# Altium PCB spd150.PcbDoc (part 6 of 15)
Units mil, origin at the board's own origin, x right, y up, seen from the top; angles counter-clockwise.
Board outline 8557 x 5807 mil, 10 copper layers (TOP, LYR2-PLN, LYR3-SIG, LYR4-SIG, LYR5-PLN, LYR6-PLN, LYR7-SIG, LYR8-SIG, LYR9-PLN, BOTTOM), stack 84 mil thick; 1065 components, 972 nets, 4226 pads, 2810 vias.
Unrouted connection lines stored in the file: 16.
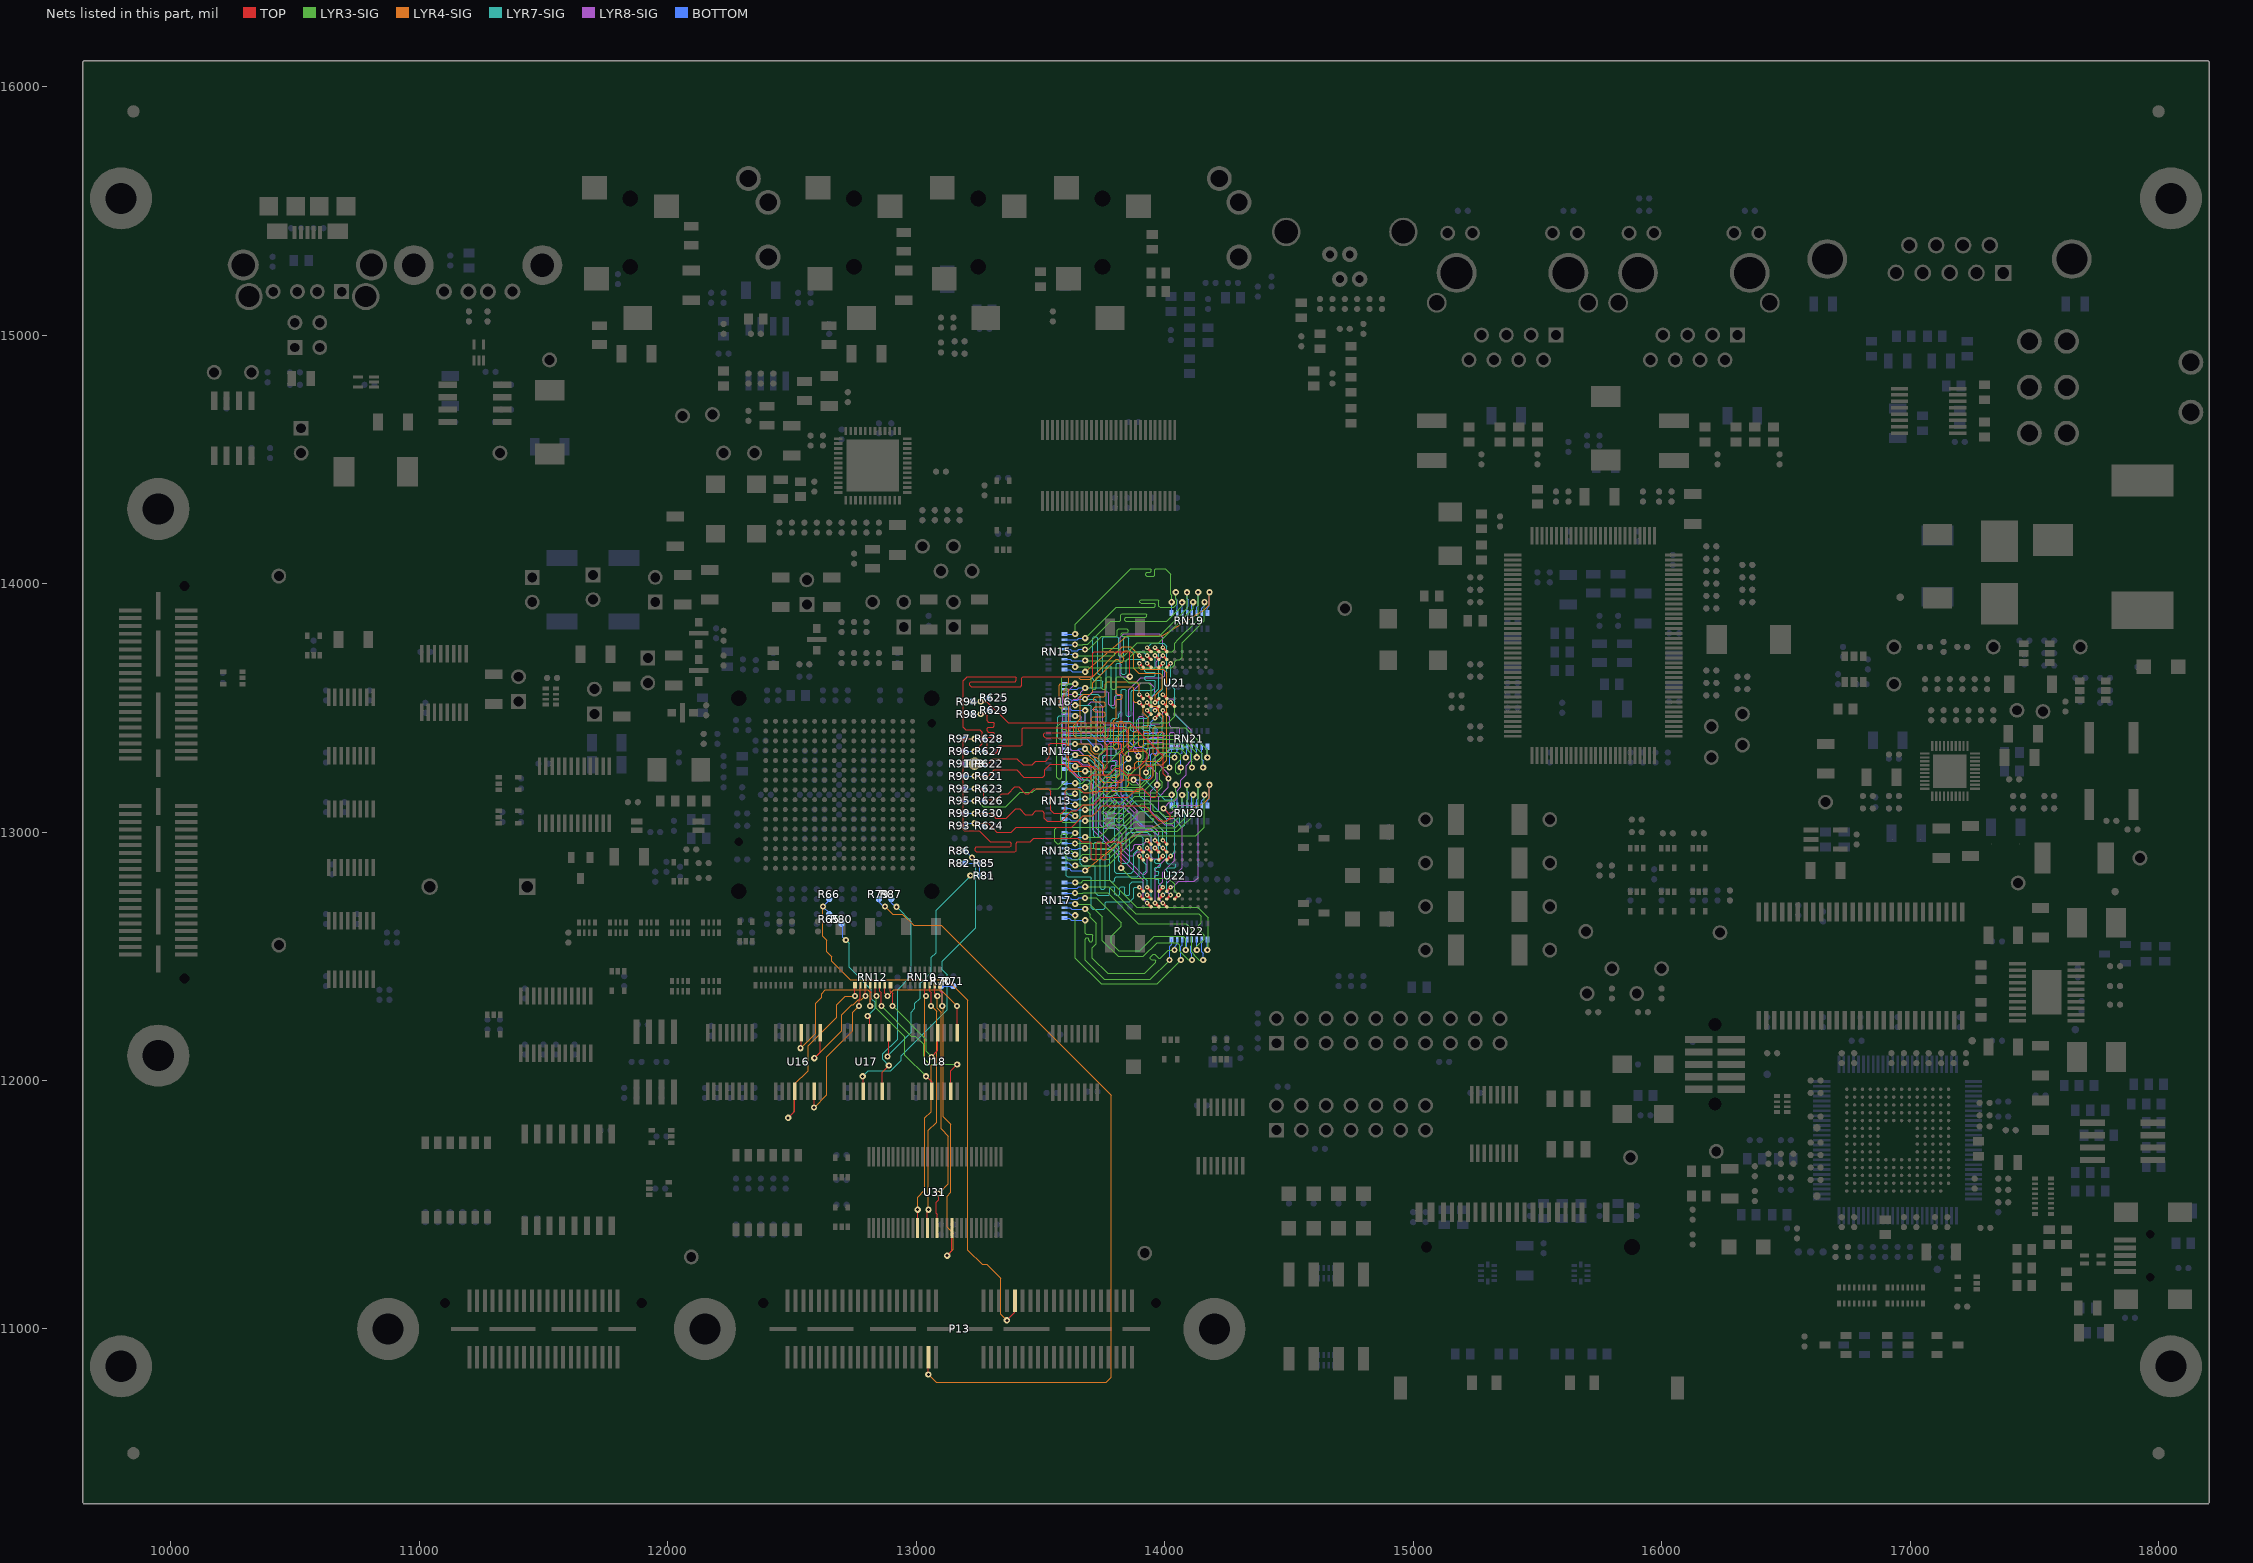
[diagram p14: the nets of this part, all layers, seen from the top]

## Via types
v1: diameter 25, hole 12, TOP to BOTTOM, 2018 vias
v2: diameter 19, hole 8, TOP to BOTTOM, 651 vias
v3: diameter 20, hole 10, TOP to BOTTOM, 120 vias
v4: diameter 22, hole 10, TOP to BOTTOM, 21 vias

## Nets (pads, with @x,y where several pads share a name; then routed paths per layer and width w, separated by ;. In a path a pad name is that pad's centre, name@x,y a point inside that pad or via, vN(x,y) a via of type N, cw(c..) or ccw(c..) an arc to the next point about the centre after c; other vN are vias at no path point) (continued)
EMIFA_D4: RN10.5 U31.11 | length 1012.9
  TOP w5: U31.11@13006.1,11407 v1(13006.1,11480) ; RN10.5@13034.8,12383 13034.8,12345.2 v1(13040,12340)
  LYR4-SIG w5: v1(13006.1,11480) 13006.1,11531.1 13035,11560 13035,11850 13060,11875 13060,12060 13035,12085 13035,12335 v1(13040,12340)
EMIFA_D5: RN10.6 U31.13 | length 1003.5
  TOP w5: U31.13@13045.5,11407 13045.5,11475.5 v1(13050,11480) ; RN10.6@13054.4,12383 13054.4,12360 13060,12354.4 v1(13060,12300)
  LYR4-SIG w5: v1(13050,11480) 13049,11481 13049,11799 13082.2,11832.2 13082.2,12277.8 v1(13060,12300)
EMIFA_D6: RN10.7 U31.15 | length 1021.9
  TOP w5: RN10.7@13074,12383 13074,12351 v1(13085,12340) ; U31.15@13084.8,11407 13084.8,11461.9 13080,11466.7 13080,11510 13090,11520 v1(13090,11545)
  LYR4-SIG w5: v1(13085,12340) 13085,12290 13100,12275 13100,11805 13130,11775 13130,11585 v1(13090,11545)
EMIFA_D7: R70.1 R71.1 RN10.8 U31.18 | length 1385
  TOP w5: RN10.8@13096.6,12383 13096.6,12360 13105,12351.6 v1(13105,12300) ; v1(13125,11295) 13144.2,11314.2 13144.2,11347.5 13143.9,11347.8 U31.18@13143.9,11407
  LYR4-SIG w5: v1(13105,12300) 13110,12295 13110,11855 13140,11825 13140,11550 13125,11535 13125,11410 13150,11385 13150,11320 v1(13125,11295)
  BOTTOM w5: v1(13105,12300) 13105,12355 13100,12360 R70.1@13100,12380 R71.1@13150,12380
EMIFA_D8: RN12.1 U16.4 | length 785.3
  TOP w5: v1(12485,11850) 12512.2,11877.2 U16.4@12512.2,11957.4 ; v1(12753.4,12340) RN12.1@12753.4,12383
  LYR4-SIG w5: v1(12485,11850) 12510,11875 12510,11985 12565,12040 12565,12140 12680,12255 12680,12305 12715,12340 v1(12753.4,12340)
EMIFA_D9: RN12.2 U16.7 | length 635.9
  TOP w5: v1(12589,11891) U16.7@12589,11957.4 ; v1(12770,12300) 12770,12324.9 12775.6,12330.5 12775.6,12348.9 12776,12349.3 RN12.2@12776,12383
  LYR4-SIG w5: v1(12589,11891) 12640,11942 12640,12095 12745,12200 12745,12275 v1(12770,12300)
EMIFA_D10: RN12.3 U16.9 | length 502.7
  TOP w5: v1(12590,12090) 12614.6,12114.6 U16.9@12614.6,12192.6 ; v1(12795.6,12340.6) RN12.3@12795.6,12383
  LYR4-SIG w5: v1(12590,12090) 12700,12200 12700,12265 12740,12305 12746.7,12305 12766.7,12325 12780,12325 v1(12795.6,12340.6)
EMIFA_D11: RN12.4 U16.12 | length 667
  TOP w5: v1(12535,12130) 12537.8,12132.8 U16.12@12537.8,12192.6 ; v1(12815,12299.9) 12815.2,12325.2 12820,12330 12820,12355.2 12815.2,12360 RN12.4@12815.2,12383
  LYR4-SIG w5: v1(12535,12130) 12595,12190 12595,12310 12620,12335 12620,12350 12635,12365 12805,12365 12815.6,12354.4 12815.6,12300.5 v1(12815,12299.9)
EMIFA_D12: RN12.5 U18.4 | length 519.8
  TOP w5: RN12.5@12834.8,12383 12834.8,12345.2 v1(12840,12340) ; v1(13040,12017) 13062.2,11994.8 U18.4@13062.2,11957.4
  LYR3-SIG w5: v1(12840,12340) 12840,12291 12955,12176 12955,12102 v1(13040,12017)
EMIFA_D13: RN12.6 U18.7 | length 638.2
  TOP w5: RN12.6@12854.4,12383 12854.4,12360 12860,12354.4 v1(12860,12300) ; U18.7@13139,11957.4 13139,12039 v1(13165,12065)
  LYR3-SIG w5: v1(12860,12300) 12980.9,12179.1 12995.9,12179.1 13030,12145 13030,12090 13055,12065 v1(13165,12065)
EMIFA_D14: RN12.7 U18.9 | length 471.6
  TOP w5: RN12.7@12874,12383 12874,12351 v1(12885,12340) ; U18.9@13164.6,12192.6 v1(13164.6,12299.6)
  LYR4-SIG w5: v1(12885,12340) 12910,12365 13099.2,12365 v1(13164.6,12299.6)
EMIFA_D15: RN12.8 U18.12 | length 464.8
  TOP w5: RN12.8@12896.6,12383 12896.6,12360 12905,12351.6 v1(12905,12300) ; v1(13062,12095) 13087.8,12120.8 U18.12@13087.8,12192.6
  LYR3-SIG w5: v1(12905,12300) 13040,12165 13040,12117 v1(13062,12095)
EMIFA_OEN: R80.2 U17.12 | length 509
  TOP w5: v1(12805,12260) 12812.8,12252.2 U17.12@12812.8,12192.6
  LYR7-SIG w5: v1(12717,12565) 12730,12552 12730,12455 12820,12365 12820,12330 12835,12315 12835,12290 v1(12805,12260)
  BOTTOM w5: R80.2@12700,12630 12700,12625 12705,12620 12705,12577 v1(12717,12565)
EMIFA_SDCKE: P13.37 R79.2 | length 3230.6
  TOP w5: v1(13049,10817) P13.37@13049,10887
  LYR4-SIG w5: v1(12875,12700) 12905,12670 12945,12670 12990,12625 13100,12625 13785,11940 13785,10805 13765,10785 13081,10785 v1(13049,10817)
  BOTTOM w5: R79.2@12850,12730 12850,12720 12870,12700 v1(12875,12700)
EMIFA_WAIT0: P13.50 R65.2 R66.2 | length 2383.7
  TOP w5: v1(13365,11035) 13397,11067 P13.50@13397,11113
  LYR4-SIG w5: v1(12625,12700) 12625,12580 12640,12565 12640,12518.3 12660,12498.3 12660,12480 12735,12405 13125,12405 13207.5,12322.5 13207.5,11317.5 13265,11260 13285,11260 13340,11205 13340,11060 v1(13365,11035)
  BOTTOM w5: R65.2@12650,12670 12650,12675 v1(12625,12700) 12650,12725 R66.2@12650,12730
EMIFA_WEN: R81.2 R82.2 R85.1 U17.9 | length 1110.4
  TOP w5: v1(12885,12097) 12889.6,12101.6 U17.9@12889.6,12192.6
  LYR7-SIG w5: v1(12885,12097) 12885,12100 12980,12195 12980,12275 12995,12290 12995,12310 13016,12331 13016,12391 13061,12436 13061,12496 13080,12515 13080,12685 13218,12823 v1(13218,12825)
  BOTTOM w5: R82.2@13195,12875 R85.1@13255,12875 R81.2@13255,12825 v1(13218,12825)
EMIFA_WEN_DQM0: R86.2 U17.4 | length 1246.3
  TOP w5: v1(12785,12017) 12785,12015 12787.2,12012.8 U17.4@12787.2,11957.4
  LYR7-SIG w5: v1(12785,12017) 12808,12040 12898.3,12040 12940,12081.7 12940,12100 13125,12285 13125,12425 13105,12445 13105,12480 13240,12615 13240,12882 v1(13225,12897)
  BOTTOM w5: R86.2@13195,12925 13197,12925 v1(13225,12897)
EMIFA_WEN_DQM1: R87.2 U17.7 | length 878.3
  TOP w5: U17.7@12864,11957.4 12864,12034 v1(12890,12060)
  LYR7-SIG w5: v1(12890,12060) 12865,12085 12865,12107 12925,12167 12925,12365 12981,12421 12981,12639 v1(12921,12699)
  BOTTOM w5: R87.2@12900,12730 12900,12715 12916,12699 v1(12921,12699)
EMIFB_A0: RN14.6 U21.H7 U22.H7 | length 2154.7
  TOP w10: v2(13929.8,12777.8) U22.H7@13945.6,12762 ; v2(13929.8,13552.8) U21.H7@13945.6,13537
  LYR4-SIG w4: v2(13929.8,13552.8) 13945.3,13537.3 13945.3,13515 13955,13505.3 13967.8,13505.3 13976.8,13496.3 13976.8,13483.8 13995,13465.6 13995,13450
  LYR4-SIG w5: v1(13680.1,13290) 13700.1,13270 13700.1,13269.9 13725,13245 13725,13190 13735,13180 13845,13180 13855,13190 13855,13225 13880,13250 13880,13275 13890,13285 13980,13285 13995,13300 13995,13398 13990,13403 13980,13403 13975,13398 13975,13315 13970,13310 13960,13310 13955,13315 13955,13418 13960,13423 13990,13423 13995,13428 13995,13450
  LYR7-SIG w4: 13875,12985 13904.3,12985 13914.3,12975 13914.3,12880 13925,12869.3 13925,12845 13914.3,12834.3 13914.3,12820 13929.8,12804.5 v2(13929.8,12777.8)
  LYR7-SIG w5: v1(13680.1,13290) 13700,13290 13735,13255 13735,13135 13745,13125 13785,13125 13800.1,13109.9 13800.1,13082.5 13795.1,13077.5 13775,13077.5 13770,13072.5 13770,13062.5 13775,13057.5 13795.1,13057.5 13800.1,13052.5 13800.1,13042.5 13795.1,13037.5 13775,13037.5 13770,13032.5 13770,13022.5 13775,13017.5 13795.1,13017.5 13800.1,13012.5 13800.1,12981.7 13800,12981.6 13800,12955 13815,12940 13815,12885 13825,12875 13850,12875 13860,12885 13860,12975 13870,12985 13875,12985
  BOTTOM w5: RN14.6@13597.1,13295.6 13620.1,13295.6 13625.7,13290 v1(13680.1,13290)
EMIFB_A1: RN14.5 U21.H8 U22.H8 | length 2195.7
  TOP w10: v2(13929.8,12746.3) U22.H8@13945.6,12730.5 ; v2(13929.8,13521.3) U21.H8@13945.6,13505.5
  LYR4-SIG w4: v2(13929.8,13521.3) 13914.3,13505.8 13914.3,13480 13935,13459.3 13935,13450
  LYR4-SIG w5: v1(13640.1,13310) 13693.1,13310 13718.1,13285 13718.1,13276.9 13740,13255 13740,13210 13750,13200 13825,13200 13835,13210 13835,13310 13850.4,13325.4 13925.4,13325.4 13935,13335 13935,13399.4 13930,13404.4 13920,13404.4 13915,13399.4 13915,13350 13910,13345 13900,13345 13895,13350 13895,13399.4 13890,13404.4 13880,13404.4 13875,13399.4 13875,13350 13870,13345 13860,13345 13855,13350 13855,13419.4 13860,13424.4 13930,13424.4 13935,13429.4 13935,13450
  LYR7-SIG w4: 13875,12800 13908.8,12800 13913.8,12795 13913.8,12761.2 13928.7,12746.3 v2(13929.8,12746.3)
  LYR7-SIG w5: v1(13640.1,13310) 13620.1,13290 13620.1,13244.9 13660.1,13204.9 13660.1,13143.3 13659.9,13143.1 13659.9,13118.5 13660.1,13118.3 13660.1,12943.3 13659.9,12943.1 13659.9,12918.5 13660.1,12918.3 13660.1,12901.7 13660,12901.6 13660,12875 13670,12865 13715,12865 13720,12860 13720,12755 13730,12745 13775,12745 13780,12750 13780,12775 13785,12780 13795,12780 13800,12775 13800,12750 13805,12745 13815,12745 13820,12750 13820,12775 13825,12780 13835,12780 13840,12775 13840,12750 13845,12745 13855,12745 13860,12750 13860,12790 13870,12800 13875,12800
  BOTTOM w5: RN14.5@13597.1,13315.2 13634.9,13315.2 v1(13640.1,13310)
EMIFB_A2: RN14.4 U21.J8 U22.J8 | length 2161.8
  TOP w10: v2(13898.3,12746.3) U22.J8@13914.1,12730.5 ; v2(13898.3,13521.3) U21.J8@13914.1,13505.5
  LYR4-SIG w4: 13875,13580 13875,13526.3 13880,13521.3
  LYR4-SIG w5: v1(13679.9,13334.8) 13682.7,13334.8 13695,13322.5 13702.6,13314.8 13717.4,13300 13725,13300 13755,13270 13755,13230 13765,13220 13810,13220 13820,13230 13820,13315 13835,13330 13835,13440 13830,13445 13820,13445 13815,13440 13815,13340 13810,13335 13800,13335 13795,13340 13795,13448.2 13805,13458.2 13805,13529.5 13810,13534.5 13825,13534.5 13830,13539.5 13830,13549.5 13825,13554.5 13810,13554.5 13805,13559.5 13805,13580 13810,13585 13870,13585 13875,13580 ; 13880,13521.3 v2(13898.3,13521.3)
  LYR7-SIG w4: 13875,13000 13930,13000 13945.3,12984.7 13945.3,12739.8 13935.8,12730.3 13914.3,12730.3 v2(13898.3,12746.3)
  LYR7-SIG w5: v1(13679.9,13334.8) 13755,13259.7 13755,13247.2 13760,13242.2 13780,13242.2 13785,13237.2 13785,13227.2 13780,13222.2 13760,13222.2 13755,13217.2 13755,13207.2 13760,13202.2 13780,13202.2 13785,13197.2 13785,13187.2 13780,13182.2 13760,13182.2 13755,13177.2 13755,13155 13765,13145 13785,13145 13817.5,13112.5 13817.5,12960 13822.5,12955 13840,12955 13845,12960 13845,12990 13855,13000 13875,13000
  BOTTOM w5: RN14.4@13597.1,13334.8 13620.1,13334.8 13624.9,13330 13650.1,13330 13654.9,13334.8 v1(13679.9,13334.8)
EMIFB_A3: RN14.3 U21.J7 U22.J7 | length 2196.8
  TOP w10: v2(13898.3,12777.8) U22.J7@13914.1,12762 ; v2(13898.3,13552.8) U21.J7@13914.1,13537
  LYR4-SIG w4: 13875,13605 13885,13605 13898.3,13591.7 v2(13898.3,13552.8)
  LYR4-SIG w5: v1(13639.5,13354.4) 13639.9,13354.8 13695.2,13354.8 13705,13345 13705,13326.8 13709.8,13321.9 13716.7,13315 13745,13315 13760,13330 13760,13398.7 13755,13403.7 13660,13403.7 13655,13408.7 13655,13418.7 13660,13423.7 13755,13423.7 13760,13428.7 13760,13438.7 13755,13443.7 13710,13443.7 13705,13448.7 13705,13458.7 13710,13463.7 13755,13463.7 13760,13468.7 13760,13478.7 13755,13483.7 13720,13483.7 13715,13488.7 13715,13498.7 13720,13503.7 13755,13503.7 13760,13508.7 13760,13518.7 13755,13523.7 13720,13523.7 13715,13528.7 13715,13538.7 13720,13543.7 13755,13543.7 13760,13548.7 13760,13595 13770,13605 13875,13605
  LYR7-SIG w4: 13875,12735 13875,12772.8 13880,12777.8 v2(13898.3,12777.8)
  LYR7-SIG w5: v1(13639.5,13354.4) 13610,13354.4 13605,13349.4 13605,12825 13610,12820 13700,12820 13705,12815 13705,12695 13710,12690 13755,12690 13760,12695 13760,12715 13765,12720 13860,12720 13875,12735
  BOTTOM w5: RN14.3@13597.1,13354.4 v1(13639.5,13354.4)
EMIFB_A4: RN14.7 U21.J3 U22.J3 | length 2191.1
  TOP w10: v2(13898.3,12903.8) U22.J3@13914.1,12888 ; v2(13898.3,13678.8) U21.J3@13914.1,13663
  LYR4-SIG w4: v2(13898.3,13678.8) 13898.3,13660 13903.3,13655 13995,13655 14008.3,13641.7 14008.3,13450
  LYR4-SIG w5: v1(13640.1,13265) 13690.8,13265 13705,13250.8 13705,13170 13710,13165 13897.5,13165 13902.5,13170 13902.5,13252.5 13920,13270 13990,13270 14008.3,13288.3 14008.3,13450
  LYR7-SIG w4: 13875,12820 13890,12820 13898.3,12828.3 v2(13898.3,12903.8)
  LYR7-SIG w5: v1(13640.1,13265) 13655,13250.1 13655,13230 13675,13210 13695,13210 13700,13205 13700,13188.4 13700.1,13188.3 13700.1,13171.7 13700,13171.6 13700,13098.4 13700.1,13098.3 13700.1,13081.7 13700,13081.6 13700,13053.4 13700.1,13053.3 13700.1,13036.7 13700,13036.6 13700,12988.4 13700.1,12988.3 13700.1,12971.7 13700,12971.6 13700,12898.4 13700.1,12898.3 13700.1,12895 13705.1,12890 13735,12890 13740,12885 13740,12775 13745,12770 13755,12770 13760,12775 13760,12905 13765,12910 13775,12910 13780,12905 13780,12805 13785,12800 13795,12800 13800,12805 13800,12815 13805,12820 13875,12820
  BOTTOM w5: RN14.7@13597.1,13276 13629.1,13276 v1(13640.1,13265)
EMIFB_A5: RN14.8 U21.J2 U22.J2 | length 2148.3
  TOP w10: v2(13898.3,12935.3) U22.J2@13914.1,12919.5 ; v2(13898.3,13710.3) U21.J2@13914.1,13694.5
  LYR4-SIG w4: 13875,13733.6 v2(13898.3,13710.3)
  LYR4-SIG w5: v1(13680.1,13245) 13620,13245 13615,13250 13615,13570.9 13610,13575.9 13600,13575.9 13595,13570.9 13595,13505 13590,13500 13580,13500 13575,13505 13575,13590.9 13580,13595.9 13610,13595.9 13615,13600.9 13615,13620 13620,13625 13650,13625 13660,13615 13700,13615 13830,13745 13863.6,13745 13875,13733.6
  LYR7-SIG w4: 13875,12845 13875,12912 v2(13898.3,12935.3)
  LYR7-SIG w5: v1(13680.1,13245) 13705,13245 13715,13235 13715,12984.4 13720,12979.4 13730,12979.4 13735,12984.4 13735,13100 13740,13105 13750,13105 13755,13100 13755,12964.4 13750,12959.4 13720,12959.4 13715,12954.4 13715,12935 13720,12930 13795,12930 13800,12925 13800,12840 13805,12835 13865,12835 13875,12845
  BOTTOM w5: RN14.8@13597.1,13253.4 13620.1,13253.4 13628.5,13245 v1(13680.1,13245)
EMIFB_A6: RN16.3 U21.H3 U22.H3 | length 2196.6
  TOP w10: v2(13929.8,12903.8) U22.H3@13945.6,12888 ; v2(13929.8,13678.8) U21.H3@13945.6,13663
  LYR7-SIG w4: 13875,13694.8 13913.8,13694.8 v2(13929.8,13678.8)
  LYR7-SIG w5: v1(13639.5,13554.4) 13639.9,13554.8 13730.2,13554.8 13740,13545 13740,13445 13745,13440 13760,13440 13765,13445 13765,13665 13770,13670 13780,13670 13785,13665 13785,13505 13790,13500 13800,13500 13805,13505 13805,13675 13810,13680 13820,13680 13825,13675 13825,13640 13830,13635 13840,13635 13845,13640 13845,13689.8 13850,13694.8 13875,13694.8
  LYR8-SIG w4: 13875,12865 13910,12830 13920,12830 13929.8,12839.8 v2(13929.8,12903.8)
  LYR8-SIG w5: v1(13639.5,13554.4) 13614.3,13554.4 13604.9,13545 13604.9,13295.1 13615,13285 13655,13285 13670,13270 13695,13270 13705,13260 13705,13215 13725,13195 13725,13015 13780.3,12959.7 13787.3,12959.7 13800.3,12972.7 13807.3,12972.7 13814.5,12965.5 13814.5,12958.5 13801.5,12945.5 13801.5,12938.5 13875,12865
  BOTTOM w5: RN16.3@13597.1,13554.4 v1(13639.5,13554.4)
EMIFB_A7: RN16.2 U21.H2 U22.H2 | length 2156.5
  TOP w10: v2(13929.8,12935.3) U22.H2@13945.6,12919.5 ; v2(13929.8,13710.3) U21.H2@13945.6,13694.5
  LYR7-SIG w4: 13875,13725.8 13914.3,13725.8 v2(13929.8,13710.3)
  LYR7-SIG w5: v1(13680.1,13580) 13745,13580 13750,13585 13750,13606.8 13745,13611.8 13715,13611.8 13710,13616.8 13710,13780 13715,13785 13725,13785 13730,13780 13730,13640 13735,13635 13745,13635 13750,13640 13750,13780 13755,13785 13810,13785 13815,13780 13815,13710 13820,13705 13830,13705 13835,13710 13835,13780 13840,13785 13850,13785 13855,13780 13855,13735 13864.2,13725.8 13875,13725.8
  LYR8-SIG w4: 13875,12905 13889.8,12919.8 13914.3,12919.8 v2(13929.8,12935.3)
  LYR8-SIG w5: v1(13680.1,13580) 13661.7,13561.6 13661.7,13548.3 13647.8,13534.4 13635,13534.4 13619.5,13518.9 13619.5,13447 13624.5,13442 13645,13442 13650,13437 13650,13427 13645,13422 13624.5,13422 13619.5,13417 13619.5,13335 13624.5,13330 13655,13330 13675,13310 13710,13310 13720,13300 13720,13220 13740,13200 13740,13030 13755,13015 13805,13015 13830,12990 13830,12930 13855,12905 13875,12905
  BOTTOM w5: RN16.2@13597.1,13574 13597.5,13574.4 13647.8,13574.4 13653.4,13580 v1(13680.1,13580)
EMIFB_A8: RN16.7 U21.H1 U22.H1 | length 2198.9
  TOP w10: v2(13929.8,12966.8) U22.H1@13945.6,12951 ; v2(13929.8,13741.8) U21.H1@13945.6,13726
  LYR7-SIG w4: v2(13929.8,13741.8) 13948,13760 13996.6,13760 14008.3,13748.3 14008.3,13450
  LYR7-SIG w5: v1(13640.1,13467) 13575,13467 13570,13462 13570,13380 13575,13375 14003.3,13375 14008.3,13380 14008.3,13450
  LYR8-SIG w4: 13875,12935 13875,12945 13881.3,12951.3 13914.3,12951.3 v2(13929.8,12966.8)
  LYR8-SIG w5: v1(13640.1,13467) 13660,13467 13665,13462 13665,13406.2 13670,13401.2 13700,13401.2 13705,13396.2 13705,13386.2 13700,13381.2 13670,13381.2 13665,13376.2 13665,13360 13670,13355 13740,13355 13750,13345 13750,13320 13735,13305 13735,13225 13755,13205 13755,13080 13760,13075 13830,13075 13835,13070 13835,13060 13830,13055 13760,13055 13755,13050 13755,13040 13765,13030 13835,13030 13845,13020 13845,12935 13855,12925 13865,12925 13875,12935
  BOTTOM w5: RN16.7@13597.1,13476 13631.1,13476 v1(13640.1,13467)
EMIFB_A9: RN16.6 U21.G3 U22.G3 | length 2153.7
  TOP w10: U22.G3@13977.1,12888 v2(13992.8,12903.8) ; U21.G3@13977.1,13663 v2(13992.8,13678.8)
  LYR7-SIG w4: 13990,13450 13990,13455 13977.3,13467.7 13977.3,13560 13992.8,13575.5 v2(13992.8,13678.8)
  LYR7-SIG w5: v1(13680.1,13490) 13680,13489.9 13680,13450 13675,13445 13590,13445 13585,13440 13585,13400 13595,13390 13938,13390 13943,13395 13943,13405 13938,13410 13915,13410 13910,13415 13910,13425 13915,13430 13958,13430 13963,13425 13963,13395 13968,13390 13980,13390 13990,13400 13990,13450
  LYR8-SIG w4: 13875,12990 13935.3,12990 13945.3,12980 13945.3,12900 13952.6,12892.7 13981.7,12892.7 v2(13992.8,12903.8)
  LYR8-SIG w5: v1(13680.1,13490) 13680.1,13425 13685.1,13420 13700,13420 13705,13425 13705,13490 13710,13495 13725,13495 13730,13490 13730,13380 13735,13375 13745,13375 13770,13350 13770,13315 13750,13295 13750,13235 13770,13215 13770,13110 13780,13100 13835,13100 13865,13070 13865,13000 13875,12990
  BOTTOM w5: RN16.6@13597.1,13495.6 13620.1,13495.6 13625.7,13490 v1(13680.1,13490)
EMIFB_A10: RN16.1 U21.H9 U22.H9 | length 2196.7
  TOP w10: v2(13929.8,12714.8) U22.H9@13945.6,12699 ; v2(13929.8,13489.8) U21.H9@13945.6,13474
  LYR3-SIG w4: 13875,13600 13935,13600 13945.3,13589.7 13945.3,13505.3 v2(13929.8,13489.8)
  LYR3-SIG w5: v1(13640.1,13596.6) 13610,13596.6 13605,13591.6 13605,13485 13600,13480 13590,13480 13585,13485 13585,13620 13590,13625 13700.1,13625 13705.1,13620 13705.1,13580 13710.1,13575 13720.1,13575 13725.1,13580 13725.1,13620 13730.1,13625 13740.1,13625 13745.1,13620 13745.1,13580 13750.1,13575 13760.1,13575 13765.1,13580 13765.1,13620 13770.1,13625 13780.1,13625 13785.1,13620 13785.1,13580 13790.1,13575 13800.1,13575 13805.1,13580 13805.1,13620 13810.1,13625 13830,13625 13855,13600 13875,13600
  LYR8-SIG w4: 13875,12844.3 13914.3,12805 13914.3,12730.3 v2(13929.8,12714.8)
  LYR8-SIG w5: v1(13640.1,13596.6) 13590,13546.5 13590,13285 13665,13210 13690,13210 13710,13190 13710,13009.3 13875,12844.3
  BOTTOM w5: RN16.1@13597.1,13596.6 v1(13640.1,13596.6)
EMIFB_A11: RN16.4 U21.G2 U22.G2 | length 2149
  TOP w10: v2(13961.3,12935.3) U22.G2@13977.1,12919.5 ; v2(13961.3,13710.3) U21.G2@13977.1,13694.5
  LYR7-SIG w4: 13875,13570 13950,13570 13961.3,13581.3 13961.3,13607.3 13957.3,13611.3 13924,13611.3 13920,13615.3 13920,13623.3 13924,13627.3 13957.3,13627.3 13961.3,13631.3 13961.3,13639.3 13957.3,13643.3 13924,13643.3 13920,13647.3 13920,13655.3 13924,13659.3 13957.3,13659.3 13961.3,13663.3 v2(13961.3,13710.3)
  LYR7-SIG w5: v1(13679.9,13534.8) 13720,13534.8 13725,13529.8 13725,13425 13730,13420 13780,13420 13785,13425 13785,13450 13792.5,13457.5 13810,13457.5 13815,13462.5 13815,13475 13825,13485 13825,13570 13830,13575 13840,13575 13845,13570 13845,13470 13850,13465 13860,13465 13865,13470 13865,13565 13870,13570 13875,13570
  LYR8-SIG w4: v2(13961.3,12935.3) 13976.8,12950.8 13976.8,12998.2
  LYR8-SIG w5: v1(13679.9,13534.8) 13710.1,13565 13770,13565 13775,13560 13775,13515 13780,13510 13795,13510 13800,13515 13800,13545 13805,13550 13820,13550 13825,13545 13825,13379.4 13820,13374.4 13810,13374.4 13805,13369.4 13805,13359.4 13810,13354.4 13820,13354.4 13825,13349.4 13825,13339.4 13820,13334.4 13810,13334.4 13805,13329.4 13805,13319.4 13810,13314.4 13820,13314.4 13825,13309.4 13825,13150 13890,13085 13890,13035 13900,13025 13950,13025 13976.8,12998.2
  BOTTOM w5: RN16.4@13597.1,13534.8 13620.1,13534.8 13624.9,13530 13650.1,13530 13654.9,13534.8 v1(13679.9,13534.8)

## Text inside footprints (layer, text, board x,y; h text height)
R260: PIN_NUMBER "2" at 16172,14050 h20; PIN_NUMBER "1" at 16212,14050 h20; ASSEMBLY_BOTTOM "USERPART#" at 16200,13900 h25; ASSEMBLY_BOTTOM "TOLERANCE" at 16200,13950 h25; ASSEMBLY_BOTTOM "2K" at 16200,14050 h25; SYMBOL_PART_DIM "0" at 16292,14037 h25; SYMBOL_PART_DIM "0" at 16208,13966 h25; SYMBOL_PART_DIM "C402-35X32" at 16323,13912 h25; SYMBOL_PART_DIM "PAD 35X32 OV" at 16323,13862 h25
R261: PIN_NUMBER "2" at 16317,14025 h20; PIN_NUMBER "1" at 16357,14025 h20; ASSEMBLY_BOTTOM "USERPART#" at 16345,13875 h25; ASSEMBLY_BOTTOM "TOLERANCE" at 16345,13925 h25; ASSEMBLY_BOTTOM "NO-POP" at 16345,14025 h25; SYMBOL_PART_DIM "0" at 16437,14012 h25; SYMBOL_PART_DIM "0" at 16353,13941 h25; SYMBOL_PART_DIM "C402-35X32" at 16468,13887 h25; SYMBOL_PART_DIM "PAD 35X32 OV" at 16468,13837 h25
R262: PIN_NUMBER "2" at 16172,13950 h20; PIN_NUMBER "1" at 16212,13950 h20; ASSEMBLY_BOTTOM "USERPART#" at 16200,13800 h25; ASSEMBLY_BOTTOM "TOLERANCE" at 16200,13850 h25; ASSEMBLY_BOTTOM "NO-POP" at 16200,13950 h25; SYMBOL_PART_DIM "0" at 16292,13937 h25; SYMBOL_PART_DIM "0" at 16208,13866 h25; SYMBOL_PART_DIM "C402-35X32" at 16323,13812 h25; SYMBOL_PART_DIM "PAD 35X32 OV" at 16323,13762 h25
R263: PIN_NUMBER "2" at 16297,13625 h20; PIN_NUMBER "1" at 16337,13625 h20; ASSEMBLY_BOTTOM "USERPART#" at 16325,13475 h25; ASSEMBLY_BOTTOM "TOLERANCE" at 16325,13525 h25; ASSEMBLY_BOTTOM "2K" at 16325,13625 h25; SYMBOL_PART_DIM "0" at 16417,13612 h25; SYMBOL_PART_DIM "0" at 16333,13541 h25; SYMBOL_PART_DIM "C402-35X32" at 16448,13487 h25; SYMBOL_PART_DIM "PAD 35X32 OV" at 16448,13437 h25
R264: PIN_NUMBER "2" at 16172,13600 h20; PIN_NUMBER "1" at 16212,13600 h20; ASSEMBLY_BOTTOM "USERPART#" at 16200,13450 h25; ASSEMBLY_BOTTOM "TOLERANCE" at 16200,13500 h25; ASSEMBLY_BOTTOM "2K" at 16200,13600 h25; SYMBOL_PART_DIM "0" at 16292,13587 h25; SYMBOL_PART_DIM "0" at 16208,13516 h25; SYMBOL_PART_DIM "C402-35X32" at 16323,13462 h25; SYMBOL_PART_DIM "PAD 35X32 OV" at 16323,13412 h25
R265: PIN_NUMBER "2" at 16297,13575 h20; PIN_NUMBER "1" at 16337,13575 h20; ASSEMBLY_BOTTOM "USERPART#" at 16325,13425 h25; ASSEMBLY_BOTTOM "TOLERANCE" at 16325,13475 h25; ASSEMBLY_BOTTOM "NO-POP" at 16325,13575 h25; SYMBOL_PART_DIM "0" at 16417,13562 h25; SYMBOL_PART_DIM "0" at 16333,13491 h25; SYMBOL_PART_DIM "C402-35X32" at 16448,13437 h25; SYMBOL_PART_DIM "PAD 35X32 OV" at 16448,13387 h25
R266: PIN_NUMBER "1" at 15484,14380 h40 r270; PIN_NUMBER "2" at 15484,14320 h40 r270; ASSEMBLY_TOP "3.01K" at 15485,14375 h40 r270; ASSEMBLY_TOP "X" at 15485,14345 h40 r270; ASSEMBLY_TOP "X" at 15485,14310 h40 r270; SYMB_DIM "PAD 35X45OV" at 15575,14165 h40 r270; SYMB_DIM "SM  43X53OV" at 15515,14165 h40 r270; SYMB_DIM "SP  35X45OV" at 15445,14165 h40 r270; SYMB_DIM "R603-35X45" at 15690,14560 h40 r270; SYMB_DIM "0" at 15360,14370 h40 r270; SYMB_DIM "0" at 15480,14495 h40 r270
R267: PIN_NUMBER "2" at 15262,13425 h20 r180; PIN_NUMBER "1" at 15222,13425 h20 r180; ASSEMBLY_BOTTOM "USERPART#" at 15250,13575 h25 r180; ASSEMBLY_BOTTOM "TOLERANCE" at 15250,13525 h25 r180; ASSEMBLY_BOTTOM "NO-POP" at 15250,13425 h25 r180; SYMBOL_PART_DIM "0" at 15158,13438 h25 r180; SYMBOL_PART_DIM "0" at 15242,13509 h25 r180; SYMBOL_PART_DIM "C402-35X32" at 15127,13563 h25 r180; SYMBOL_PART_DIM "PAD 35X32 OV" at 15127,13613 h25 r180
R268: PIN_NUMBER "2" at 15262,13375 h20 r180; PIN_NUMBER "1" at 15222,13375 h20 r180; ASSEMBLY_BOTTOM "USERPART#" at 15250,13525 h25 r180; ASSEMBLY_BOTTOM "TOLERANCE" at 15250,13475 h25 r180; ASSEMBLY_BOTTOM "2K" at 15250,13375 h25 r180; SYMBOL_PART_DIM "0" at 15158,13388 h25 r180; SYMBOL_PART_DIM "0" at 15242,13459 h25 r180; SYMBOL_PART_DIM "C402-35X32" at 15127,13513 h25 r180; SYMBOL_PART_DIM "PAD 35X32 OV" at 15127,13563 h25 r180
R269: PIN_NUMBER "2" at 15262,13675 h20 r180; PIN_NUMBER "1" at 15222,13675 h20 r180; ASSEMBLY_BOTTOM "USERPART#" at 15250,13825 h25 r180; ASSEMBLY_BOTTOM "TOLERANCE" at 15250,13775 h25 r180; ASSEMBLY_BOTTOM "2K" at 15250,13675 h25 r180; SYMBOL_PART_DIM "0" at 15158,13688 h25 r180; SYMBOL_PART_DIM "0" at 15242,13759 h25 r180; SYMBOL_PART_DIM "C402-35X32" at 15127,13813 h25 r180; SYMBOL_PART_DIM "PAD 35X32 OV" at 15127,13863 h25 r180
R270: PIN_NUMBER "2" at 15262,13625 h20 r180; PIN_NUMBER "1" at 15222,13625 h20 r180; ASSEMBLY_BOTTOM "USERPART#" at 15250,13775 h25 r180; ASSEMBLY_BOTTOM "TOLERANCE" at 15250,13725 h25 r180; ASSEMBLY_BOTTOM "NO-POP" at 15250,13625 h25 r180; SYMBOL_PART_DIM "0" at 15158,13638 h25 r180; SYMBOL_PART_DIM "0" at 15242,13709 h25 r180; SYMBOL_PART_DIM "C402-35X32" at 15127,13763 h25 r180; SYMBOL_PART_DIM "PAD 35X32 OV" at 15127,13813 h25 r180
R271: PIN_NUMBER "2" at 16317,13925 h20; PIN_NUMBER "1" at 16357,13925 h20; ASSEMBLY_BOTTOM "USERPART#" at 16345,13775 h25; ASSEMBLY_BOTTOM "TOLERANCE" at 16345,13825 h25; ASSEMBLY_BOTTOM "2K" at 16345,13925 h25; SYMBOL_PART_DIM "0" at 16437,13912 h25; SYMBOL_PART_DIM "0" at 16353,13841 h25; SYMBOL_PART_DIM "C402-35X32" at 16468,13787 h25; SYMBOL_PART_DIM "PAD 35X32 OV" at 16468,13737 h25
R272: PIN_NUMBER "2" at 16172,14150 h20; PIN_NUMBER "1" at 16212,14150 h20; ASSEMBLY_BOTTOM "USERPART#" at 16200,14000 h25; ASSEMBLY_BOTTOM "TOLERANCE" at 16200,14050 h25; ASSEMBLY_BOTTOM "NO-POP" at 16200,14150 h25; SYMBOL_PART_DIM "0" at 16292,14137 h25; SYMBOL_PART_DIM "0" at 16208,14066 h25; SYMBOL_PART_DIM "C402-35X32" at 16323,14012 h25; SYMBOL_PART_DIM "PAD 35X32 OV" at 16323,13962 h25
R273: PIN_NUMBER "2" at 15342,14230 h20 r270; PIN_NUMBER "1" at 15342,14270 h20 r270; ASSEMBLY_TOP "USERPART#" at 15200,14250 h25 r270; ASSEMBLY_TOP "TOLERANCE" at 15250,14250 h25 r270; ASSEMBLY_TOP "10K" at 15350,14250 h25 r270; SYMBOL_PART_DIM "0" at 15337,14342 h25 r270; SYMBOL_PART_DIM "0" at 15266,14258 h25 r270; SYMBOL_PART_DIM "C402-35X32" at 15212,14373 h25 r270; SYMBOL_PART_DIM "PAD 35X32 OV" at 15162,14373 h25 r270
R274: PIN_NUMBER "2" at 15917,14370 h20 r90; PIN_NUMBER "1" at 15917,14330 h20 r90; ASSEMBLY_TOP "USERPART#" at 16075,14350 h25 r90; ASSEMBLY_TOP "TOLERANCE" at 16025,14350 h25 r90; ASSEMBLY_TOP "NO-POP" at 15925,14350 h25 r90; SYMBOL_PART_DIM "0" at 15938,14258 h25 r90; SYMBOL_PART_DIM "0" at 16009,14342 h25 r90; SYMBOL_PART_DIM "C402-35X32" at 16063,14227 h25 r90; SYMBOL_PART_DIM "PAD 35X32 OV" at 16113,14227 h25 r90
R275: PIN_NUMBER "2" at 16212,14100 h20; PIN_NUMBER "1" at 16172,14100 h20; ASSEMBLY_TOP "USERPART#" at 16200,13950 h25; ASSEMBLY_TOP "TOLERANCE" at 16200,14000 h25; ASSEMBLY_TOP "2K" at 16200,14100 h25; SYMBOL_PART_DIM "0" at 16108,14087 h25; SYMBOL_PART_DIM "0" at 16192,14016 h25; SYMBOL_PART_DIM "C402-35X32" at 16077,13962 h25; SYMBOL_PART_DIM "PAD 35X32 OV" at 16077,13912 h25
R276: PIN_NUMBER "2" at 16357,14075 h20; PIN_NUMBER "1" at 16317,14075 h20; ASSEMBLY_TOP "USERPART#" at 16345,13925 h25; ASSEMBLY_TOP "TOLERANCE" at 16345,13975 h25; ASSEMBLY_TOP "NO-POP" at 16345,14075 h25; SYMBOL_PART_DIM "0" at 16253,14062 h25; SYMBOL_PART_DIM "0" at 16337,13991 h25; SYMBOL_PART_DIM "C402-35X32" at 16222,13937 h25; SYMBOL_PART_DIM "PAD 35X32 OV" at 16222,13887 h25
R277: PIN_NUMBER "2" at 16212,14050 h20; PIN_NUMBER "1" at 16172,14050 h20; ASSEMBLY_TOP "USERPART#" at 16200,13900 h25; ASSEMBLY_TOP "TOLERANCE" at 16200,13950 h25; ASSEMBLY_TOP "NO-POP" at 16200,14050 h25; SYMBOL_PART_DIM "0" at 16108,14037 h25; SYMBOL_PART_DIM "0" at 16192,13966 h25; SYMBOL_PART_DIM "C402-35X32" at 16077,13912 h25; SYMBOL_PART_DIM "PAD 35X32 OV" at 16077,13862 h25
R278: PIN_NUMBER "2" at 16357,14025 h20; PIN_NUMBER "1" at 16317,14025 h20; ASSEMBLY_TOP "USERPART#" at 16345,13875 h25; ASSEMBLY_TOP "TOLERANCE" at 16345,13925 h25; ASSEMBLY_TOP "NO-POP" at 16345,14025 h25; SYMBOL_PART_DIM "0" at 16253,14012 h25; SYMBOL_PART_DIM "0" at 16337,13941 h25; SYMBOL_PART_DIM "C402-35X32" at 16222,13887 h25; SYMBOL_PART_DIM "PAD 35X32 OV" at 16222,13837 h25
R279: PIN_NUMBER "2" at 16212,13950 h20; PIN_NUMBER "1" at 16172,13950 h20; ASSEMBLY_TOP "USERPART#" at 16200,13800 h25; ASSEMBLY_TOP "TOLERANCE" at 16200,13850 h25; ASSEMBLY_TOP "NO-POP" at 16200,13950 h25; SYMBOL_PART_DIM "0" at 16108,13937 h25; SYMBOL_PART_DIM "0" at 16192,13866 h25; SYMBOL_PART_DIM "C402-35X32" at 16077,13812 h25; SYMBOL_PART_DIM "PAD 35X32 OV" at 16077,13762 h25
R280: PIN_NUMBER "2" at 16337,13625 h20; PIN_NUMBER "1" at 16297,13625 h20; ASSEMBLY_TOP "USERPART#" at 16325,13475 h25; ASSEMBLY_TOP "TOLERANCE" at 16325,13525 h25; ASSEMBLY_TOP "NO-POP" at 16325,13625 h25; SYMBOL_PART_DIM "0" at 16233,13612 h25; SYMBOL_PART_DIM "0" at 16317,13541 h25; SYMBOL_PART_DIM "C402-35X32" at 16202,13487 h25; SYMBOL_PART_DIM "PAD 35X32 OV" at 16202,13437 h25
R281: PIN_NUMBER "2" at 16212,13600 h20; PIN_NUMBER "1" at 16172,13600 h20; ASSEMBLY_TOP "USERPART#" at 16200,13450 h25; ASSEMBLY_TOP "TOLERANCE" at 16200,13500 h25; ASSEMBLY_TOP "NO-POP" at 16200,13600 h25; SYMBOL_PART_DIM "0" at 16108,13587 h25; SYMBOL_PART_DIM "0" at 16192,13516 h25; SYMBOL_PART_DIM "C402-35X32" at 16077,13462 h25; SYMBOL_PART_DIM "PAD 35X32 OV" at 16077,13412 h25
R282: PIN_NUMBER "2" at 16337,13575 h20; PIN_NUMBER "1" at 16297,13575 h20; ASSEMBLY_TOP "USERPART#" at 16325,13425 h25; ASSEMBLY_TOP "TOLERANCE" at 16325,13475 h25; ASSEMBLY_TOP "NO-POP" at 16325,13575 h25; SYMBOL_PART_DIM "0" at 16233,13562 h25; SYMBOL_PART_DIM "0" at 16317,13491 h25; SYMBOL_PART_DIM "C402-35X32" at 16202,13437 h25; SYMBOL_PART_DIM "PAD 35X32 OV" at 16202,13387 h25
R283: PIN_NUMBER "2" at 15222,13425 h20 r180; PIN_NUMBER "1" at 15262,13425 h20 r180; ASSEMBLY_TOP "USERPART#" at 15250,13575 h25 r180; ASSEMBLY_TOP "TOLERANCE" at 15250,13525 h25 r180; ASSEMBLY_TOP "2K" at 15250,13425 h25 r180; SYMBOL_PART_DIM "0" at 15342,13438 h25 r180; SYMBOL_PART_DIM "0" at 15258,13509 h25 r180; SYMBOL_PART_DIM "C402-35X32" at 15373,13563 h25 r180; SYMBOL_PART_DIM "PAD 35X32 OV" at 15373,13613 h25 r180
R284: PIN_NUMBER "2" at 15222,13375 h20 r180; PIN_NUMBER "1" at 15262,13375 h20 r180; ASSEMBLY_TOP "USERPART#" at 15250,13525 h25 r180; ASSEMBLY_TOP "TOLERANCE" at 15250,13475 h25 r180; ASSEMBLY_TOP "NO-POP" at 15250,13375 h25 r180; SYMBOL_PART_DIM "0" at 15342,13388 h25 r180; SYMBOL_PART_DIM "0" at 15258,13459 h25 r180; SYMBOL_PART_DIM "C402-35X32" at 15373,13513 h25 r180; SYMBOL_PART_DIM "PAD 35X32 OV" at 15373,13563 h25 r180
R285: PIN_NUMBER "2" at 15222,13675 h20 r180; PIN_NUMBER "1" at 15262,13675 h20 r180; ASSEMBLY_TOP "USERPART#" at 15250,13825 h25 r180; ASSEMBLY_TOP "TOLERANCE" at 15250,13775 h25 r180; ASSEMBLY_TOP "NO-POP" at 15250,13675 h25 r180; SYMBOL_PART_DIM "0" at 15342,13688 h25 r180; SYMBOL_PART_DIM "0" at 15258,13759 h25 r180; SYMBOL_PART_DIM "C402-35X32" at 15373,13813 h25 r180; SYMBOL_PART_DIM "PAD 35X32 OV" at 15373,13863 h25 r180
R286: PIN_NUMBER "2" at 15222,13625 h20 r180; PIN_NUMBER "1" at 15262,13625 h20 r180; ASSEMBLY_TOP "USERPART#" at 15250,13775 h25 r180; ASSEMBLY_TOP "TOLERANCE" at 15250,13725 h25 r180; ASSEMBLY_TOP "2K" at 15250,13625 h25 r180; SYMBOL_PART_DIM "0" at 15342,13638 h25 r180; SYMBOL_PART_DIM "0" at 15258,13709 h25 r180; SYMBOL_PART_DIM "C402-35X32" at 15373,13763 h25 r180; SYMBOL_PART_DIM "PAD 35X32 OV" at 15373,13813 h25 r180
R287: PIN_NUMBER "2" at 16357,13925 h20; PIN_NUMBER "1" at 16317,13925 h20; ASSEMBLY_TOP "USERPART#" at 16345,13775 h25; ASSEMBLY_TOP "TOLERANCE" at 16345,13825 h25; ASSEMBLY_TOP "NO-POP" at 16345,13925 h25; SYMBOL_PART_DIM "0" at 16253,13912 h25; SYMBOL_PART_DIM "0" at 16337,13841 h25; SYMBOL_PART_DIM "C402-35X32" at 16222,13787 h25; SYMBOL_PART_DIM "PAD 35X32 OV" at 16222,13737 h25
R288: PIN_NUMBER "2" at 16212,14150 h20; PIN_NUMBER "1" at 16172,14150 h20; ASSEMBLY_TOP "USERPART#" at 16200,14000 h25; ASSEMBLY_TOP "TOLERANCE" at 16200,14050 h25; ASSEMBLY_TOP "NO-POP" at 16200,14150 h25; SYMBOL_PART_DIM "0" at 16108,14137 h25; SYMBOL_PART_DIM "0" at 16192,14066 h25; SYMBOL_PART_DIM "C402-35X32" at 16077,14012 h25; SYMBOL_PART_DIM "PAD 35X32 OV" at 16077,13962 h25
R289: PIN_NUMBER "1" at 15222,14025 h20; PIN_NUMBER "2" at 15262,14025 h20; ASSEMBLY_TOP "USERPART#" at 15250,13875 h25; ASSEMBLY_TOP "TOLERANCE" at 15250,13925 h25; ASSEMBLY_TOP "1K" at 15250,14025 h25; SYMBOL_PART_DIM "0" at 15158,14012 h25; SYMBOL_PART_DIM "0" at 15242,13941 h25; SYMBOL_PART_DIM "C402-35X32" at 15127,13887 h25; SYMBOL_PART_DIM "PAD 35X32 OV" at 15127,13837 h25
R290: PIN_NUMBER "2" at 15754,13595 h40; PIN_NUMBER "1" at 15814,13595 h40; SYMB_DIM "PAD 35X45OV" at 15615,13670 h40; SYMB_DIM "SM  43X53OV" at 15615,13610 h40; SYMB_DIM "SP  35X45OV" at 15615,13540 h40; SYMB_DIM "R603-35X45" at 16010,13785 h40; SYMB_DIM "0" at 15820,13455 h40; SYMB_DIM "0" at 15945,13575 h40; ASSEMBLY_BOTTOM "100" at 15825,13580 h40; ASSEMBLY_BOTTOM "X" at 15795,13580 h40; ASSEMBLY_BOTTOM "X" at 15760,13580 h40
R291: PIN_NUMBER "2" at 15412,13550 h20 r180; PIN_NUMBER "1" at 15372,13550 h20 r180; ASSEMBLY_BOTTOM "USERPART#" at 15400,13700 h25 r180; ASSEMBLY_BOTTOM "TOLERANCE" at 15400,13650 h25 r180; ASSEMBLY_BOTTOM "1K" at 15400,13550 h25 r180; SYMBOL_PART_DIM "0" at 15308,13563 h25 r180; SYMBOL_PART_DIM "0" at 15392,13634 h25 r180; SYMBOL_PART_DIM "C402-35X32" at 15277,13688 h25 r180; SYMBOL_PART_DIM "PAD 35X32 OV" at 15277,13738 h25 r180
R292: PIN_NUMBER "1" at 15592,13480 h20 r270; PIN_NUMBER "2" at 15592,13520 h20 r270; ASSEMBLY_BOTTOM "USERPART#" at 15450,13500 h25 r270; ASSEMBLY_BOTTOM "TOLERANCE" at 15500,13500 h25 r270; ASSEMBLY_BOTTOM "10K" at 15600,13500 h25 r270; SYMBOL_PART_DIM "0" at 15587,13408 h25 r270; SYMBOL_PART_DIM "0" at 15516,13492 h25 r270; SYMBOL_PART_DIM "C402-35X32" at 15462,13377 h25 r270; SYMBOL_PART_DIM "PAD 35X32 OV" at 15412,13377 h25 r270
R293: PIN_NUMBER "2" at 15917,13320 h20 r270; PIN_NUMBER "1" at 15917,13280 h20 r270; ASSEMBLY_BOTTOM "USERPART#" at 15775,13300 h25 r270; ASSEMBLY_BOTTOM "TOLERANCE" at 15825,13300 h25 r270; ASSEMBLY_BOTTOM "1K" at 15925,13300 h25 r270; SYMBOL_PART_DIM "0" at 15912,13208 h25 r270; SYMBOL_PART_DIM "0" at 15841,13292 h25 r270; SYMBOL_PART_DIM "C402-35X32" at 15787,13177 h25 r270; SYMBOL_PART_DIM "PAD 35X32 OV" at 15737,13177 h25 r270
R294: PIN_NUMBER "2" at 15567,14330 h20 r90; PIN_NUMBER "1" at 15567,14370 h20 r90; ASSEMBLY_BOTTOM "USERPART#" at 15725,14350 h25 r90; ASSEMBLY_BOTTOM "TOLERANCE" at 15675,14350 h25 r90; ASSEMBLY_BOTTOM "NO-POP" at 15575,14350 h25 r90; SYMBOL_PART_DIM "0" at 15588,14442 h25 r90; SYMBOL_PART_DIM "0" at 15659,14358 h25 r90; SYMBOL_PART_DIM "C402-35X32" at 15713,14473 h25 r90; SYMBOL_PART_DIM "PAD 35X32 OV" at 15763,14473 h25 r90
R295: PIN_NUMBER "2" at 15617,14530 h20 r90; PIN_NUMBER "1" at 15617,14570 h20 r90; ASSEMBLY_BOTTOM "USERPART#" at 15775,14550 h25 r90; ASSEMBLY_BOTTOM "TOLERANCE" at 15725,14550 h25 r90; ASSEMBLY_BOTTOM "NO-POP" at 15625,14550 h25 r90; SYMBOL_PART_DIM "0" at 15638,14642 h25 r90; SYMBOL_PART_DIM "0" at 15709,14558 h25 r90; SYMBOL_PART_DIM "C402-35X32" at 15763,14673 h25 r90; SYMBOL_PART_DIM "PAD 35X32 OV" at 15813,14673 h25 r90
R296: PIN_NUMBER "2" at 16032,14330 h20 r90; PIN_NUMBER "1" at 16032,14370 h20 r90; ASSEMBLY_BOTTOM "USERPART#" at 16190,14350 h25 r90; ASSEMBLY_BOTTOM "TOLERANCE" at 16140,14350 h25 r90; ASSEMBLY_BOTTOM "NO-POP" at 16040,14350 h25 r90; SYMBOL_PART_DIM "0" at 16053,14442 h25 r90; SYMBOL_PART_DIM "0" at 16124,14358 h25 r90; SYMBOL_PART_DIM "C402-35X32" at 16178,14473 h25 r90; SYMBOL_PART_DIM "PAD 35X32 OV" at 16228,14473 h25 r90
R297: PIN_NUMBER "2" at 15982,14330 h20 r90; PIN_NUMBER "1" at 15982,14370 h20 r90; ASSEMBLY_BOTTOM "USERPART#" at 16140,14350 h25 r90; ASSEMBLY_BOTTOM "TOLERANCE" at 16090,14350 h25 r90; ASSEMBLY_BOTTOM "NO-POP" at 15990,14350 h25 r90; SYMBOL_PART_DIM "0" at 16003,14442 h25 r90; SYMBOL_PART_DIM "0" at 16074,14358 h25 r90; SYMBOL_PART_DIM "C402-35X32" at 16128,14473 h25 r90; SYMBOL_PART_DIM "PAD 35X32 OV" at 16178,14473 h25 r90
R298: PIN_NUMBER "2" at 15567,14370 h20 r90; PIN_NUMBER "1" at 15567,14330 h20 r90; ASSEMBLY_TOP "USERPART#" at 15725,14350 h25 r90; ASSEMBLY_TOP "TOLERANCE" at 15675,14350 h25 r90; ASSEMBLY_TOP "NO-POP" at 15575,14350 h25 r90; SYMBOL_PART_DIM "0" at 15588,14258 h25 r90; SYMBOL_PART_DIM "0" at 15659,14342 h25 r90; SYMBOL_PART_DIM "C402-35X32" at 15713,14227 h25 r90; SYMBOL_PART_DIM "PAD 35X32 OV" at 15763,14227 h25 r90
R299: PIN_NUMBER "2" at 15617,14370 h20 r90; PIN_NUMBER "1" at 15617,14330 h20 r90; ASSEMBLY_TOP "USERPART#" at 15775,14350 h25 r90; ASSEMBLY_TOP "TOLERANCE" at 15725,14350 h25 r90; ASSEMBLY_TOP "NO-POP" at 15625,14350 h25 r90; SYMBOL_PART_DIM "0" at 15638,14258 h25 r90; SYMBOL_PART_DIM "0" at 15709,14342 h25 r90; SYMBOL_PART_DIM "C402-35X32" at 15763,14227 h25 r90; SYMBOL_PART_DIM "PAD 35X32 OV" at 15813,14227 h25 r90
R300: PIN_NUMBER "2" at 16032,14370 h20 r90; PIN_NUMBER "1" at 16032,14330 h20 r90; ASSEMBLY_TOP "USERPART#" at 16190,14350 h25 r90; ASSEMBLY_TOP "TOLERANCE" at 16140,14350 h25 r90; ASSEMBLY_TOP "NO-POP" at 16040,14350 h25 r90; SYMBOL_PART_DIM "0" at 16053,14258 h25 r90; SYMBOL_PART_DIM "0" at 16124,14342 h25 r90; SYMBOL_PART_DIM "C402-35X32" at 16178,14227 h25 r90; SYMBOL_PART_DIM "PAD 35X32 OV" at 16228,14227 h25 r90
R301: PIN_NUMBER "2" at 15982,14370 h20 r90; PIN_NUMBER "1" at 15982,14330 h20 r90; ASSEMBLY_TOP "USERPART#" at 16140,14350 h25 r90; ASSEMBLY_TOP "TOLERANCE" at 16090,14350 h25 r90; ASSEMBLY_TOP "NO-POP" at 15990,14350 h25 r90; SYMBOL_PART_DIM "0" at 16003,14258 h25 r90; SYMBOL_PART_DIM "0" at 16074,14342 h25 r90; SYMBOL_PART_DIM "C402-35X32" at 16128,14227 h25 r90; SYMBOL_PART_DIM "PAD 35X32 OV" at 16178,14227 h25 r90
R302: PIN_NUMBER "2" at 15967,13320 h20 r270; PIN_NUMBER "1" at 15967,13280 h20 r270; ASSEMBLY_BOTTOM "USERPART#" at 15825,13300 h25 r270; ASSEMBLY_BOTTOM "TOLERANCE" at 15875,13300 h25 r270; ASSEMBLY_BOTTOM "1K" at 15975,13300 h25 r270; SYMBOL_PART_DIM "0" at 15962,13208 h25 r270; SYMBOL_PART_DIM "0" at 15891,13292 h25 r270; SYMBOL_PART_DIM "C402-35X32" at 15837,13177 h25 r270; SYMBOL_PART_DIM "PAD 35X32 OV" at 15787,13177 h25 r270
R303: PIN_NUMBER "2" at 16017,13320 h20 r270; PIN_NUMBER "1" at 16017,13280 h20 r270; ASSEMBLY_BOTTOM "USERPART#" at 15875,13300 h25 r270; ASSEMBLY_BOTTOM "TOLERANCE" at 15925,13300 h25 r270; ASSEMBLY_BOTTOM "1K" at 16025,13300 h25 r270; SYMBOL_PART_DIM "0" at 16012,13208 h25 r270; SYMBOL_PART_DIM "0" at 15941,13292 h25 r270; SYMBOL_PART_DIM "C402-35X32" at 15887,13177 h25 r270; SYMBOL_PART_DIM "PAD 35X32 OV" at 15837,13177 h25 r270
R304: PIN_NUMBER "2" at 16359,14570 h40 r270; PIN_NUMBER "1" at 16359,14630 h40 r270; ASSEMBLY_TOP "49.9" at 16360,14625 h40 r270; ASSEMBLY_TOP "X" at 16360,14595 h40 r270; ASSEMBLY_TOP "X" at 16360,14560 h40 r270; SYMB_DIM "PAD 35X45OV" at 16450,14415 h40 r270; SYMB_DIM "SM  43X53OV" at 16390,14415 h40 r270; SYMB_DIM "SP  35X45OV" at 16320,14415 h40 r270; SYMB_DIM "R603-35X45" at 16565,14810 h40 r270; SYMB_DIM "0" at 16235,14620 h40 r270; SYMB_DIM "0" at 16355,14745 h40 r270
R305: PIN_NUMBER "2" at 16434,14570 h40 r270; PIN_NUMBER "1" at 16434,14630 h40 r270; ASSEMBLY_TOP "49.9" at 16435,14625 h40 r270; ASSEMBLY_TOP "X" at 16435,14595 h40 r270; ASSEMBLY_TOP "X" at 16435,14560 h40 r270; SYMB_DIM "PAD 35X45OV" at 16525,14415 h40 r270; SYMB_DIM "SM  43X53OV" at 16465,14415 h40 r270; SYMB_DIM "SP  35X45OV" at 16395,14415 h40 r270; SYMB_DIM "R603-35X45" at 16640,14810 h40 r270; SYMB_DIM "0" at 16310,14620 h40 r270; SYMB_DIM "0" at 16430,14745 h40 r270
R306: PIN_NUMBER "1" at 16284,14570 h40 r90; PIN_NUMBER "2" at 16284,14630 h40 r90; ASSEMBLY_TOP "49.9" at 16315,14575 h40 r90; ASSEMBLY_TOP "X" at 16315,14605 h40 r90; ASSEMBLY_TOP "X" at 16315,14640 h40 r90; SYMB_DIM "PAD 35X45OV" at 16225,14785 h40 r90; SYMB_DIM "SM  43X53OV" at 16285,14785 h40 r90; SYMB_DIM "SP  35X45OV" at 16355,14785 h40 r90; SYMB_DIM "R603-35X45" at 16110,14390 h40 r90; SYMB_DIM "0" at 16440,14580 h40 r90; SYMB_DIM "0" at 16320,14455 h40 r90
R307: PIN_NUMBER "1" at 16159,14570 h40 r90; PIN_NUMBER "2" at 16159,14630 h40 r90; ASSEMBLY_TOP "49.9" at 16190,14575 h40 r90; ASSEMBLY_TOP "X" at 16190,14605 h40 r90; ASSEMBLY_TOP "X" at 16190,14640 h40 r90; SYMB_DIM "PAD 35X45OV" at 16100,14785 h40 r90; SYMB_DIM "SM  43X53OV" at 16160,14785 h40 r90; SYMB_DIM "SP  35X45OV" at 16230,14785 h40 r90; SYMB_DIM "R603-35X45" at 15985,14390 h40 r90; SYMB_DIM "0" at 16315,14580 h40 r90; SYMB_DIM "0" at 16195,14455 h40 r90
R308: PIN_NUMBER "2" at 15409,14570 h40 r270; PIN_NUMBER "1" at 15409,14630 h40 r270; ASSEMBLY_TOP "49.9" at 15410,14625 h40 r270; ASSEMBLY_TOP "X" at 15410,14595 h40 r270; ASSEMBLY_TOP "X" at 15410,14560 h40 r270; SYMB_DIM "PAD 35X45OV" at 15500,14415 h40 r270; SYMB_DIM "SM  43X53OV" at 15440,14415 h40 r270; SYMB_DIM "SP  35X45OV" at 15370,14415 h40 r270; SYMB_DIM "R603-35X45" at 15615,14810 h40 r270; SYMB_DIM "0" at 15285,14620 h40 r270; SYMB_DIM "0" at 15405,14745 h40 r270
R309: PIN_NUMBER "2" at 15484,14570 h40 r270; PIN_NUMBER "1" at 15484,14630 h40 r270; ASSEMBLY_TOP "49.9" at 15485,14625 h40 r270; ASSEMBLY_TOP "X" at 15485,14595 h40 r270; ASSEMBLY_TOP "X" at 15485,14560 h40 r270; SYMB_DIM "PAD 35X45OV" at 15575,14415 h40 r270; SYMB_DIM "SM  43X53OV" at 15515,14415 h40 r270; SYMB_DIM "SP  35X45OV" at 15445,14415 h40 r270; SYMB_DIM "R603-35X45" at 15690,14810 h40 r270; SYMB_DIM "0" at 15360,14620 h40 r270; SYMB_DIM "0" at 15480,14745 h40 r270
R310: PIN_NUMBER "1" at 15334,14570 h40 r90; PIN_NUMBER "2" at 15334,14630 h40 r90; ASSEMBLY_TOP "49.9" at 15365,14575 h40 r90; ASSEMBLY_TOP "X" at 15365,14605 h40 r90; ASSEMBLY_TOP "X" at 15365,14640 h40 r90; SYMB_DIM "PAD 35X45OV" at 15275,14785 h40 r90; SYMB_DIM "SM  43X53OV" at 15335,14785 h40 r90; SYMB_DIM "SP  35X45OV" at 15405,14785 h40 r90; SYMB_DIM "R603-35X45" at 15160,14390 h40 r90; SYMB_DIM "0" at 15490,14580 h40 r90; SYMB_DIM "0" at 15370,14455 h40 r90
R311: PIN_NUMBER "1" at 15209,14570 h40 r90; PIN_NUMBER "2" at 15209,14630 h40 r90; ASSEMBLY_TOP "49.9" at 15240,14575 h40 r90; ASSEMBLY_TOP "X" at 15240,14605 h40 r90; ASSEMBLY_TOP "X" at 15240,14640 h40 r90; SYMB_DIM "PAD 35X45OV" at 15150,14785 h40 r90; SYMB_DIM "SM  43X53OV" at 15210,14785 h40 r90; SYMB_DIM "SP  35X45OV" at 15280,14785 h40 r90; SYMB_DIM "R603-35X45" at 15035,14390 h40 r90; SYMB_DIM "0" at 15365,14580 h40 r90; SYMB_DIM "0" at 15245,14455 h40 r90
R312: PIN_NUMBER "1" at 15415.5,12700 h30 r180; PIN_NUMBER "2" at 15160.5,12700 h30 r180; SYMB_DIM "65X125REC" at 15430,12977 h35.9 r180; SYMB_DIM "R2512-65x125" at 15456,12388 h35.9 r180
R313: PIN_NUMBER "1" at 17520.5,12895 h30; PIN_NUMBER "2" at 17775.5,12895 h30; SYMB_DIM "65X125REC" at 17530,12618 h35.9; SYMB_DIM "R2512-65x125" at 17504,13207 h35.9
R314: PIN_NUMBER "2" at 16947,13312 h20; PIN_NUMBER "1" at 16907,13312 h20; ASSEMBLY_TOP "USERPART#" at 16935,13162 h25; ASSEMBLY_TOP "TOLERANCE" at 16935,13212 h25; ASSEMBLY_TOP "NO-POP" at 16935,13312 h25; SYMBOL_PART_DIM "0" at 16843,13299 h25; SYMBOL_PART_DIM "0" at 16927,13228 h25; SYMBOL_PART_DIM "C402-35X32" at 16812,13174 h25; SYMBOL_PART_DIM "PAD 35X32 OV" at 16812,13124 h25
R315: PIN_NUMBER "2" at 16907,13295 h20; PIN_NUMBER "1" at 16947,13295 h20; ASSEMBLY_BOTTOM "USERPART#" at 16935,13145 h25; ASSEMBLY_BOTTOM "TOLERANCE" at 16935,13195 h25; ASSEMBLY_BOTTOM "1K" at 16935,13295 h25; SYMBOL_PART_DIM "0" at 17027,13282 h25; SYMBOL_PART_DIM "0" at 16943,13211 h25; SYMBOL_PART_DIM "C402-35X32" at 17058,13157 h25; SYMBOL_PART_DIM "PAD 35X32 OV" at 17058,13107 h25